# Altium PCB ControlBoard.PcbDoc (part 1 of 2) (continued)
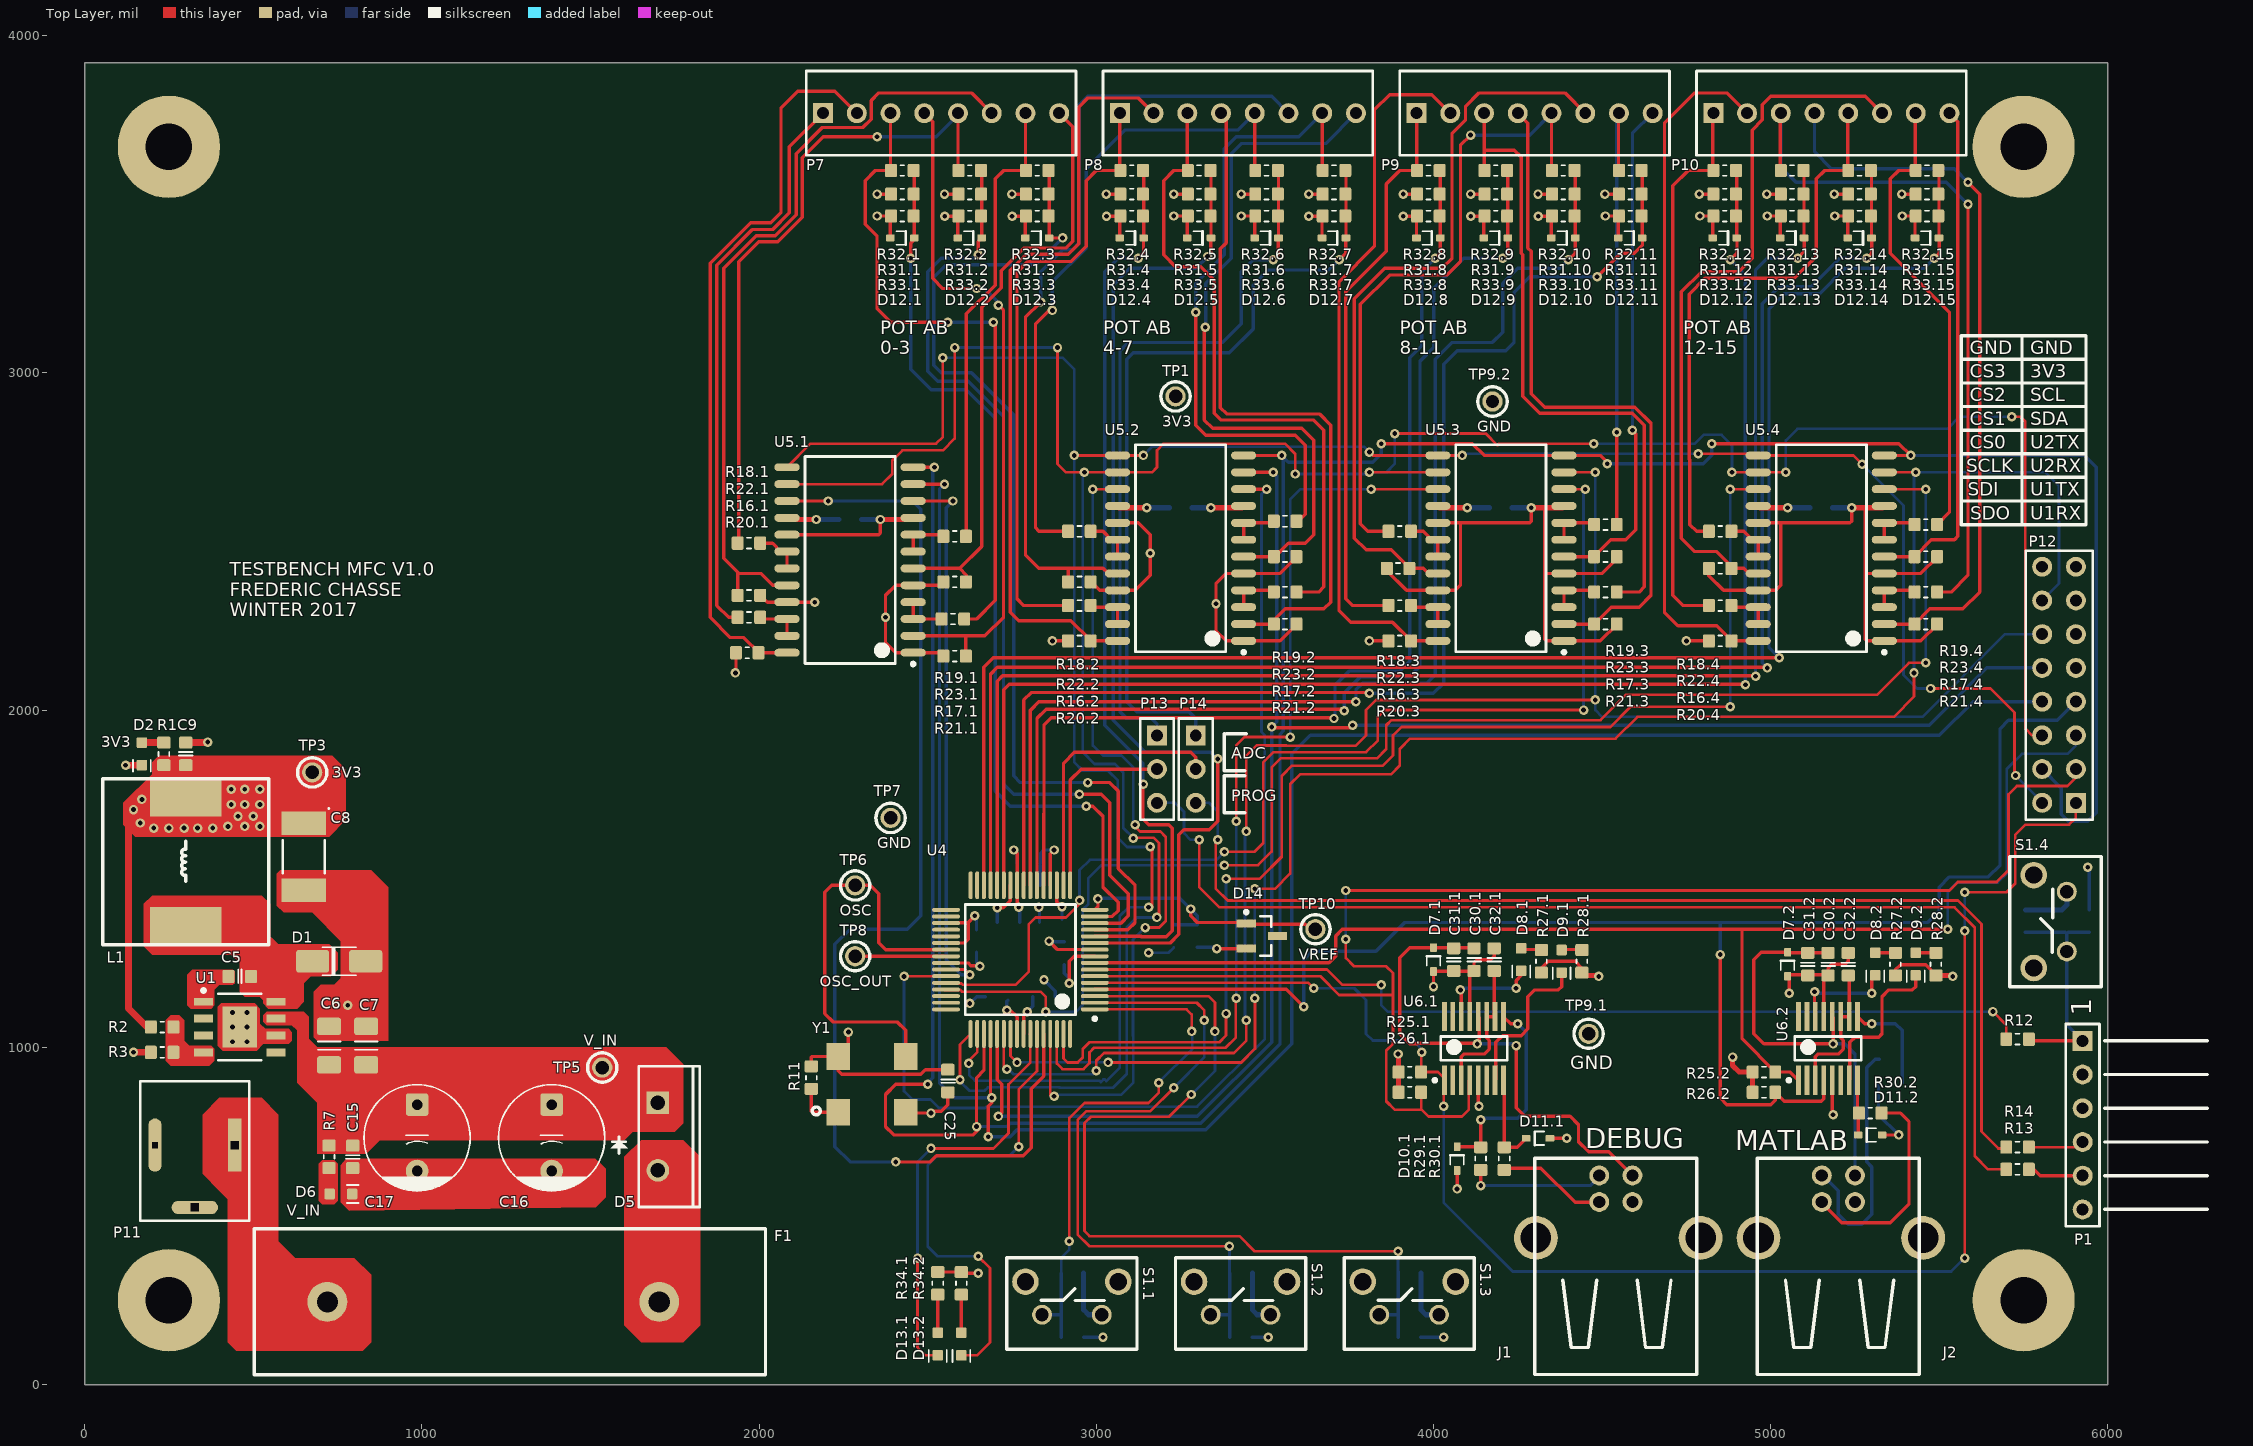
[diagram p0: Top Layer view]
## Components (designator, comment, footprint, x,y, rotation, side; value= is the part's Value field where it differs from the comment) (continued)
R34.1 "RS - RESISTOR" RS-0603 2530,300 r270 top (schematic designator R34)
R34.2 "RS - RESISTOR" RS-0603 2600,300 r270 top (schematic designator R34)
R35 "RS - RESISTOR" RS-0603 3230,1330 r270 bottom
S1.1 "SW - Tactile Switch" SW-FSMRA 2839.21,206.93 r0 top (schematic designator S1)
S1.2 "SW - Tactile Switch" SW-FSMRA 3339.21,206.93 r0 top (schematic designator S1)
S1.3 "SW - Tactile Switch" SW-FSMRA 3839.21,206.93 r0 top (schematic designator S1)
S1.4 "SW - Tactile Switch" SW-FSMRA 5878.03,1284.21 r90 top (schematic designator S1)
TP1 "5003K" "TP - VERTICAL" 3235,2930 r0 top
TP3 "5003K" "TP - VERTICAL" 675,1815 r0 top
TP5 "5003K" "TP - VERTICAL" 1535,940 r0 top
TP6 "5003K" "TP - VERTICAL" 2285,1480 r0 top
TP7 "5003K" "TP - VERTICAL" 2390,1680 r0 top
TP8 "5003K" "TP - VERTICAL" 2285,1270 r0 top
TP9.1 "5003K" "TP - VERTICAL" 4460,1040 r0 top (schematic designator TP9)
TP9.2 "5003K" "TP - VERTICAL" 4175,2915 r0 top (schematic designator TP9)
TP10 "5003K" "TP - VERTICAL" 3650,1350 r90 top
U1 "IC - TPS5430" IC-SOIC8-POWERPAD 460,1060 r0 top
U4 "IC - PIC32MX795F512HT-80I/PT" IC-TQFP-64 2775,1260 r180 top
U5.1 "IC - AD8403" IC-SOIC-24 2270,2445 r180 top (schematic designator U5)
U5.2 "IC - AD8403" IC-SOIC-24 3250,2480 r180 top (schematic designator U5)
U5.3 "IC - AD8403" IC-SOIC-24 4200,2480 r180 top (schematic designator U5)
U5.4 "IC - AD8403" IC-SOIC-24 5150,2480 r180 top (schematic designator U5)
U6.1 "IC - FT230XS" IC-SSOP-16 4120,996.54 r90 top (schematic designator U6)
U6.2 "IC - FT230XS" IC-SSOP-16 5170,996.54 r90 top (schematic designator U6)
Y1 "8MHz" OSC-CB3LV 2335,890 r0 top

## Footprints (in the part's own frame and the unit in brackets; to place one, negate y for a bottom-side part, rotate by r counter-clockwise, add the part's x,y. Pads: shape width x height; smd on the part's side, far side on the other; paste and mask are expansions set on the pad)
CON-HEADER-1X3 [mm]
  rect 1.5x1.5 hole 0.9: 1(0,0)
  round 1.5 hole 0.9: 2(2.54,0) 3(5.08,0)
  silkscreen extent -1.27,-1.27 6.35,1.27, body extent -1.35,-1.24 6.27,1.25, height 8.2
CON-HEADER-1X6-RA [mm] "HEADER 6 PINS RIGHT ANGLE"
  rect 1.5x1.5 hole 0.9: 1(0,0)
  round 1.5 hole 0.9: 2(2.54,0) 3(5.08,0) 4(7.62,0) 5(10.16,0) 6(12.7,0)
  silkscreen extent -1.27,-1.27 13.97,9.4, body extent -1.27,-0.3 13.97,9.83, height 2.51
CON-HEADER-1X8 [mm]
  rect 1.5x1.5 hole 0.9: 1(0,0)
  round 1.5 hole 0.9: 2(2.54,0) 3(5.08,0) 4(7.62,0) 5(10.16,0) 6(12.7,0) 7(15.24,0) 8(17.78,0)
  silkscreen extent -1.27,-3.17 19.05,3.17
CON-HEADER-2X8 [mm]
  rect 1.5x1.5 hole 0.9: 1(0,0)
  round 1.5 hole 0.9: 2(2.54,0) 3(5.08,0) 4(7.62,0) 5(10.16,0) 6(12.7,0) 7(15.24,0) 8(17.78,0) 9(17.78,2.54) 10(15.24,2.54) 11(12.7,2.54) 12(10.16,2.54) 13(7.62,2.54) 14(5.08,2.54) 15(2.54,2.54) 16(0,2.54)
  silkscreen extent -1.27,-1.27 18.97,3.78, body extent -1.22,-1.24 19.1,3.76, height 8.48
"CON-POWER CONNECTOR" [mm] "CONN PWR JACK 2.1X5.5MM HIGH CUR"
  rect 1x4 hole 0.6 square: 1(0,0)
  oval 1x4 hole 0.45 square: 2(6,0)
  oval 3.5x1 hole 0.6 square: 3(3,4.7)
  silkscreen extent -1.1,-4.8 7.1,5.7, body extent -0.7,-4.5 13.7,4.9, height 11.3
"CON-USB TYPE B" [mm] "USB receptacle type B through hole"
  round 1.5 hole 0.92: 1(0,0) 2(-2.5,0) 3(-2.5,-2) 4(0,-2)
  round 3.3 hole 2.3: 5(-7.27,-4.71) 6(5.13,-4.71)
  silkscreen extent -7.35,-14.99 4.85,1.29, body extent -8.65,-15.03 6.15,1.47, height 11.01
CS-0603 [mm]
  round 0.254 on Mech15: 0(0,0)
  rrect25% 0.9x1 smd: 1(-0.85,0) 2(0.85,0)
  Top Layer pour cut-out: -0.6,0.5 -0.4,0.7 0.4,0.7 0.6,0.5 0.6,-0.5 0.4,-0.7 -0.4,-0.7 -0.6,-0.5
  silkscreen extent -0.14,-0.53 0.12,0.51, body extent -0.8,-0.4 0.8,0.4, height 0.3
CS-1206 [mm]
  round 0.508 on Mech15: 0(0,0)
  rrect25% 1.3x1.8 smd: 1(-1.45,0) 2(1.45,0)
  silkscreen extent -0.31,-0.84 0.3,0.86, body extent -1.58,-0.8 1.62,0.8, height 1
CS-2312 [mm] "Chip Capacitor, 2-Leads, Body 6.00x3.20mm, IPC Medium Density"
  rect 1.8x3.35 smd: 1(-2.525,0) 2(2.525,0)
  silkscreen extent -3.69,-1.58 1.25,1.94, body extent -3,-1.6 3,1.6, height 2.6
CT-CAP-ALUM-8X14 [mm] "8mm Dia X 14mm hei, pitch 5mm"
  round 0.508 on Mech15: 0(2.5,0)
  rrect25% 1.7x1.7 hole 0.8: 1(0,0)
  round 1.7 hole 0.8: 2(5,0)
  silkscreen extent -1.5,-4 6.5,4, body extent -1.59,-4.1 6.61,4.1, height 2.4
DS-DO-214AC-SMA [mm]
  round 0.508 on Mech15: 0(0,0)
  rrect25% 2.5x1.7 smd: A(2,0) K(-2,0)
  silkscreen extent -1.27,-1.04 1.3,1.05, body extent -1.88,-0.78 1.82,0.77, height 1.35
DS-SOD523 [mm]
  round 0.508 on Mech15: 0(0,0)
  rrect20% 0.65x0.5 smd: A(0.9,0) K(-0.9,0)
  Top Layer pour cut-out: -0.708,-0.257 -0.708,0.243 -0.508,0.443 0.542,0.443 0.742,0.243 0.742,-0.257 0.542,-0.457 -0.508,-0.457
  silkscreen extent -0.25,-0.51 0.45,0.51, body extent -0.8,-0.4 0.8,0.4, height 0.7
"FT - 5mm x 20mm" [mm]
  round 3 hole 1.6: 1(0,0) 2(25,0)
  silkscreen extent -5.5,-5.5 33,5.5, body extent -0.51,-4.8 25.09,4.8, height 11.5
IC-SOIC8-POWERPAD [mm] "SOIC, 8-Leads, Body 4.90x3.90mm, Pitch 1.27mm, Thermal Pad 3.10x2.60mm, IPC Medium Density"
  rect 1.45x0.6 smd: 1(-2.725,1.905) 2(-2.725,0.635) 3(-2.725,-0.635) 4(-2.725,-1.905) 5(2.725,-1.905) 6(2.725,-0.635) 7(2.725,0.635) 8(2.725,1.905)
  rect 2.6x3.1 smd: 9(0,0)
  silkscreen extent -2.85,-2.5 1.6,2.88, body extent -3.02,-2.5 3.18,2.5, height 1.75
IC-SOIC-24 [mm] "SOIC, 24-Leads, Body 15,40x7,50mm, Pitch 1,27mm, IPC Medium Density"
  oval 1.9x0.6 smd: 1(-4.75,6.985) 2(-4.75,5.715) 3(-4.75,4.445) 4(-4.75,3.175) 5(-4.75,1.905) 6(-4.75,0.635) 7(-4.75,-0.635) 8(-4.75,-1.905) 9(-4.75,-3.175) 10(-4.75,-4.445) 11(-4.75,-5.715) 12(-4.75,-6.985) 13(4.75,-6.985) 14(4.75,-5.715) 15(4.75,-4.445) 16(4.75,-3.175) 17(4.75,-1.905) 18(4.75,-0.635) 19(4.75,0.635) 20(4.75,1.905) 21(4.75,3.175) 22(4.75,4.445) 23(4.75,5.715) 24(4.75,6.985)
  silkscreen extent -4.88,-7.8 3.4,7.96, body extent -5.12,-7.75 5.18,7.75, height 2.65
IC-SOT-23 [mm]
  rect 1.45x0.6 smd: 1(-2.674,-0.32) 2(-2.674,-2.22) 3(-0.324,-1.27)
  silkscreen extent -2.8,-2.77 -0.8,0.65, body extent -2.87,-2.77 -0.23,0.23, height 1.08
IC-SSOP-16 [mm] "SOP, 16-Leads, Body 5.0x4.0mm (max), Pitch 0.63mm, IPC Medium Density"
  rect 2.2x0.35 smd: 1(-2.4,2.222) 2(-2.4,1.587) 3(-2.4,0.952) 4(-2.4,0.317) 5(-2.4,-0.318) 6(-2.4,-0.953) 7(-2.4,-1.588) 8(-2.4,-2.222) 9(2.4,-2.222) 10(2.4,-1.587) 11(2.4,-0.952) 12(2.4,-0.317) 13(2.4,0.318) 14(2.4,0.953) 15(2.4,1.588) 16(2.4,2.222)
  silkscreen extent -2.52,-2.5 0.9,3.07, body extent -3.1,-2.5 3.15,2.5, height 1.75
IC-TQFP-64 [mm]
  oval 2.1x0.3 smd: 1(-5.6,3.75) 2(-5.6,3.25) 3(-5.6,2.75) 4(-5.6,2.25) 5(-5.6,1.75) 6(-5.6,1.25) 7(-5.6,0.75) 8(-5.6,0.25) 9(-5.6,-0.25) 10(-5.6,-0.75) 11(-5.6,-1.25) 12(-5.6,-1.75) 13(-5.6,-2.25) 14(-5.6,-2.75) 15(-5.6,-3.25) 16(-5.6,-3.75) 33(5.6,-3.75) 34(5.6,-3.25) 35(5.6,-2.75) 36(5.6,-2.25) 37(5.6,-1.75) 38(5.6,-1.25) 39(5.6,-0.75) 40(5.6,-0.25) 41(5.6,0.25) 42(5.6,0.75) 43(5.6,1.25) 44(5.6,1.75) 45(5.6,2.25) 46(5.6,2.75) 47(5.6,3.25) 48(5.6,3.75)
  oval 0.3x2.1 smd: 17(-3.75,-5.6) 18(-3.25,-5.6) 19(-2.75,-5.6) 20(-2.25,-5.6) 21(-1.75,-5.6) 22(-1.25,-5.6) 23(-0.75,-5.6) 24(-0.25,-5.6) 25(0.25,-5.6) 26(0.75,-5.6) 27(1.25,-5.6) 28(1.75,-5.6) 29(2.25,-5.6) 30(2.75,-5.6) 31(3.25,-5.6) 32(3.75,-5.6) 49(3.75,5.6) 50(3.25,5.6) 51(2.75,5.6) 52(2.25,5.6) 53(1.75,5.6) 54(1.25,5.6) 55(0.75,5.6) 56(0.25,5.6) 57(-0.25,5.6) 58(-0.75,5.6) 59(-1.25,5.6) 60(-1.75,5.6) 61(-2.25,5.6) 62(-2.75,5.6) 63(-3.25,5.6) 64(-3.75,5.6)
  silkscreen extent -5.72,-4.15 4.15,4.57, body extent -6.01,-5.98 6.01,6.03, height 1.2
"LED-0603 GREEN" [mm]
  round 0.254 on Mech15: 0(0,0)
  rrect25% 0.8x0.8 smd: A(-0.85,0) K(0.85,0)
  Top Layer pour cut-out: -0.5,0.5 0.5,0.5 0.5,-0.5 -0.5,-0.5
  silkscreen extent 0.45,-0.67 1.35,0.67, body extent -0.83,-0.4 0.79,0.4, height 0.6
"LED-0603 YELLOW" [mm]
  round 0.254 on Mech15: 0(0,0)
  rrect25% 0.8x0.8 smd: A(-0.85,0) K(0.85,0)
  Top Layer pour cut-out: -0.5,0.5 0.5,0.5 0.5,-0.5 -0.5,-0.5
  silkscreen extent 0.45,-0.67 1.35,0.67, body extent -0.83,-0.4 0.79,0.4, height 0.6
"LS-Inductor SMD" [mm] "MD Inductor 12.5mm x 12.5mm"
  rect 2.9x5.4 smd: 1(-4.85,0) 2(4.85,0)
  silkscreen extent -6.25,-6.25 6.25,6.25, body extent -6.32,-6.32 6.38,6.38, height 8.5
OSC-CB3LV [mm] "SMD Oscillator"
  rect 1.8x2 smd: 1(-2.54,-2.1) 2(2.54,-2.1) 3(2.54,2.1) 4(-2.54,2.1)
  silkscreen extent -4.5,-2.3 -3.9,-1.7, body extent -3.4,-2.42 3.6,2.58, height 1.71
RS-0603 [mm]
  round 0.254 on Mech15: 0(0,0)
  rrect25% 0.9x1 smd: 1(-0.85,0) 2(0.85,0)
  Top Layer pour cut-out: -0.6,0.5 -0.4,0.7 0.4,0.7 0.6,0.5 0.6,-0.5 0.4,-0.7 -0.4,-0.7 -0.6,-0.5
  silkscreen extent -0.15,-0.41 0.15,0.41, body extent -0.77,-0.43 0.78,0.42, height 0.45
SW-FSMRA [mm] "Right angle tactile switch"
  round 1.5 hole 0.99: 1(0,0) 2(4.5,0)
  round 2 hole 1.3: ""(-1.25,2.49) ""(5.75,2.49)
  silkscreen extent -2.65,-2.6 7.15,4.3, body extent -2.05,-8.4 6.36,3.96, height 7.02
TO-220AC [mm] "TO, Thru-Hole, Vertical, Heatsink Mounted; 3 In-Line Leads (1 Absent); Pitch 2.54 mm"
  rect 1.7x1.7 hole 1.1: 1(-2.54,0)
  round 1.7 hole 1.1: 3(2.54,0)
  silkscreen extent -5.3,-1.45 5.3,3.15
"TP - VERTICAL" [mil] "Testpoint"
  round 60 hole 40: 1(0,0)
  silkscreen extent -43,-43 43,43, body extent -50,-50 50,50, height 192

## Part data
C5: "CAP CER 10000PF 50V 10% X7R 0603"
D1: library part "DS - Schottky", "DIODE SCHOTTKY 40V 3A SMA"
D5: library part "Diode 18TQ045", "Zener Schottky"
D7.1 D7.2 D10.1 D10.2 D11.1 D11.2: "TVS 5V"
D12.1 D12.2 D12.3 D12.4 D12.5 D12.6 D12.7 D12.8 D12.9 D12.10 D12.11 D12.12 D12.13 D12.14 D12.15: "TVS 3.3V"
D14: "Zener Diode Vref"
J1 J2: library part "CON - USB TYPE B 4 pins", "4 pin USB connector with 2 shield pins"
L1: "INDUCTOR SHIELD PWR"
P1: library part "CON - PROG HEADER 6", "MICROCHIP CONNECTOR"
P7 P8 P9 P10: "100mil header 1 row 6 pins"
P11: "CONN PWR JACK 2.1X5.5MM HIGH CUR"
P12: "100mil header 2 row 16pins"
P13 P14: "100mil header 1 row 3pins"
TP1 TP3 TP5 TP6 TP7 TP8 TP9.1 TP9.2 TP10: library part "TP - Test point vertical"
U1: "IC REG BUCK ADJ 3A 8SOPWRPAD"
U5.1 U5.2 U5.3 U5.4: "DIGITAL POTENTIOMETER"
U6.1 U6.2: "USB to BASIC UART IC"
Y1: library part "OSC - CB3LV", "Oscillator"

## Free pads (board coordinates)
  round 303 hole 137.8: 0(250,250) 1(250,3670) 2(5750,3670) 3(5750,250)

## Via types
v1: diameter 28, hole 14, Top Layer to Bottom Layer, 270 vias

## Nets (pads, with @x,y where several pads share a name; then routed paths per layer and width w, separated by ;. In a path a pad name is that pad's centre, name@x,y a point inside that pad or via, vN(x,y) a via of type N, cw(c..) or ccw(c..) an arc to the next point about the centre after c; other vN are vias at no path point)
3V3: C8.1 C9.2 C20.2 C21.2 C22.2 C23.2 C24.2 C25.2 C28.1.1 C28.2.1 C28.3.1 C28.4.1 L1.2 P1.2 P12.7 R1.1 R2.1 R11.1 R24.1.2 R24.2.2 R24.3.2 R24.4.2 R25.1.2 R25.2.2 R26.1.2 R26.2.2 R27.1.2 R27.2.2 R28.1.2 R28.2.2 R31.1.1 R31.2.1 R31.3.1 R31.4.1 R31.5.1 R31.6.1 R31.7.1 R31.8.1 R31.9.1 R31.10.1 R31.11.1 R31.12.1 R31.13.1 R31.14.1 R31.15.1 R34.1.1 R34.2.1 R35.2 TP1.1 TP3.1 U4.10 U4.19 U4.26 U4.35 U4.38 U4.57 U5.1.16 U5.2.16 U5.3.16 U5.4.16 Y1.4 | length 4537.2
  Top Layer w10: R2.1@185,1060 R2.1@196.54,1060 ; U5.1.16@2082.99,2570 U5.1.16@2087.99,2565 ; R11.1@2155,943.46 2155,970 2157.68,972.68 Y1.4@2235,972.68 ; v1(2265,1045) 2265,1002.68 Y1.4@2235,972.68 ; v1(2350,3530) R31.1.1@2391.54,3530 ; R34.1.1@2530,333.46 2596.54,333.46 2600,330 v1(2650,330) ; v1(2550,3530) R31.2.1@2591.54,3530 ; U4.38@2554.53,1309.21 2609.21,1309.21 2620,1320 2620,1370 ; U4.35@2555,1369.05 2619.05,1369.05 2620,1370 ; C25.2@2560,933.46 2493.46,933.46 2480,920 2245,920 2235,930 Y1.4@2235,972.68 ; v1(2640,1390) 2620,1370 ; v1(2706.54,1413.46) 2723.46,1413.46 2745,1435 ; 2730.31,1420 2745.47,1435.16 U4.26@2745.47,1480.47 ; v1(2750,3530) R31.3.1@2791.54,3530 ; U4.57@2784.84,1039.53 2784.84,1094.84 v1(2795,1105) ; v1(2860,1315) 2885,1290 U4.10@2995,1290 ; U4.19@2883.27,1480.47 2883.27,1431.73 v1(2898.46,1416.54) ; v1(3030,3530) R31.4.1@3071.54,3530 ; U5.2.16@3062.99,2605 U5.2.16@3067.99,2600 ; v1(3230,3530) R31.5.1@3271.54,3530 ; v1(3430,3530) R31.6.1@3471.54,3530 ; v1(3630,3530) R31.7.1@3671.54,3530 ; v1(3910,3530) R31.8.1@3951.54,3530 ; U5.3.16@4012.99,2605 U5.3.16@4017.99,2600 ; v1(4110,3530) R31.9.1@4151.54,3530 ; v1(4310,3530) R31.10.1@4351.54,3530 ; R27.1.2@4320,1213.07 4320,1235 4340,1255 4420,1255 4440,1235 R28.1.2@4440,1215 ; v1(4508.46,3530) R31.11.1@4550,3530 ; v1(4788.46,3530) R31.12.1@4830,3530 ; U5.4.16@4962.99,2605 U5.4.16@4967.99,2600 ; v1(4988.46,3530) R31.13.1@5030,3530 ; v1(5188.46,3530) R31.14.1@5230,3530 ; R27.2.2@5370,1213.07 5370,1230 5385,1245 5460,1245 R28.2.2@5490,1215 ; v1(5388.46,3530) R31.15.1@5430,3530 ; R28.2.2@5489.04,1214.04 R28.2.2@5490,1213.07
  Top Layer w15: U5.1.16@2087.99,2565 v1(2170,2565) ; U5.2.16@3067.99,2600 v1(3150,2600) ; v1(3895,980) 3896.54,978.46 R25.1.2@3896.54,926.54 R26.1.2@3896.54,866.54 ; U5.3.16@4017.99,2600 v1(4100,2600) ; R28.1.2@4440,1213.07 4486.93,1213.07 v1(4490,1210) ; v1(4887,971) 4887,946 4906.46,926.54 R25.2.2@4946.54,926.54 R26.2.2@4946.54,866.54 ; U5.4.16@4967.99,2600 v1(5050,2600) ; R28.2.2@5490,1213.07 5536.93,1213.07 v1(5540,1210)
  Top Layer w20: 130,1705 130,1115 R2.1@185,1060
  Bottom Layer w8: v1(3155,1280) 3213.46,1280 R35.2@3230,1296.54
  Bottom Layer w10: v1(2640,1390) 2645,1385 C21.2@2645,1348.46 ; C22.2@2706.54,1370 v1(2706.54,1413.46) ; v1(2795,1105) 2811.54,1121.54 C23.2@2811.54,1150 ; v1(2860,1315) 2861.54,1313.46 C24.2@2905,1313.46 ; C20.2@2898.46,1380 v1(2898.46,1416.54) ; R24.1.2@2962.68,140 v1(3020,140) ; R24.2.2@3462.68,140 v1(3510,140) ; R24.3.2@3962.68,140 v1(4030,140) ; v1(5940,1534.21) 5944.96,1529.25 R24.4.2@5944.96,1407.68
  Bottom Layer w15: v1(2170,2565) C28.1.1@2236.54,2565 ; v1(3150,2600) C28.2.1@3216.54,2600 ; v1(4100,2600) C28.3.1@4166.54,2600 ; v1(5050,2600) C28.4.1@5116.54,2600
  other v1: 205,1650 250,1650 295,1650 335,1650 380,1650 425,1655 475,1655 520,1655 165,1665 455,1685 500,1685 145,1705 435,1720 475,1720 520,1720 170,1735 435,1765 475,1765 520,1765
5V_USB.1: C30.1.2 C31.1.2 D7.1.K J1.1 U6.1.12 | length 1551.1
  Top Layer w10: C30.1.2@4125,1295 3930,1295 3900,1265 3900,1040 3930,1010 3951.82,1010 3953.82,1012 4128,1012 v1(4130,1010) 4131.22,1010 4135.61,1014.39 4135.61,1087.91 U6.1.12@4132.5,1091.02 ; v1(4245,1005) 4245,820 4270,795 4405,795 4430,770 4430,720 4460,690 4520,690 J1.1@4590,620
  Bottom Layer w10: v1(4130,1010) 4240,1010 v1(4245,1005)
5V_USB.2: C30.2.2 C31.2.2 D7.2.K J2.1 U6.2.12 | length 1217.3
  Top Layer w10: C30.2.2@5170,1280 C31.2.2@5110,1280 5051.97,1280 D7.2.K@5050,1281.97 4971.97,1281.97 4950,1260 4950,1040 4980,1010 v1(5185,1010) 5185.61,1010.61 5185.61,1087.91 U6.2.12@5182.5,1091.02
  Bottom Layer w10: v1(5185,1010) 5220,1010 5250,980 J2.1@5250,620
ADC2: D12.1.K R31.1.2 R32.1.1 R33.1.2 U4.15 | length 2737.1
  Top Layer w10: v1(2450,3340) 2450,3385 D12.1.K@2465,3400 ; D12.1.K@2460.43,3400 R32.1.1@2460.43,3599.57 ; v1(2970,1715) 2990,1715 3020,1685 3020,1475 3065,1430 3065,1405 3047.95,1387.95 U4.15@2995.47,1387.95
  Bottom Layer w10: v1(2450,3340) 2450,3010 2510,2950 2615,2950 2700,2865 2700,1760 2745,1715 v1(2970,1715)
ADC3: D12.2.K R31.2.2 R32.2.1 R33.2.2 U4.14 | length 2897.5
  Top Layer w10: v1(2650,3350) 2650,3389.57 D12.2.K@2660.43,3400 ; D12.2.K@2660,3400 D12.2.K@2660.43,3400 ; R32.2.1@2660.43,3599.57 D12.2.K@2660.43,3400 ; v1(2950,1750) 3015,1750 3040,1725 3040,1510 3095,1455 3095,1390 3073.58,1368.58 ; U4.14@2995.47,1368.27 3073.27,1368.27
  Bottom Layer w10: v1(2650,3350) 2650,3345 2645,3340 2540,3340 2500,3300 2500,3005 2530,2975 2620,2975 2725,2870 2725,1780 2755,1750 v1(2950,1750)
ADC4: D12.3.K R31.3.2 R32.3.1 R33.3.2 U4.13 | length 3166.7
  Top Layer w10: D12.3.K@2860,3400 D12.3.K@2860.43,3400 ; R32.3.1@2860.43,3599.57 D12.3.K@2860.43,3400 ; v1(2900,3400) D12.3.K@2860.43,3400 ; v1(2975,1785) 3040,1785 3065,1760 3065,1530 3115,1480 3115,1370 3093.58,1348.58 U4.13@2995.47,1348.58
  Bottom Layer w10: v1(2900,3400) 2820,3320 2555,3320 2518,3283 2518,3022 2540,3000 2630,3000 2755,2875 2755,1805 2775,1785 v1(2975,1785)
ADC5: D12.4.K R31.4.2 R32.4.1 R33.4.2 U4.12 | length 2696.8
  Top Layer w10: U4.12@2995.47,1328.9 3132.92,1328.9 3133.82,1328 3208,1328 3225,1345 3225,1650 3215,1660 3155,1660 3135,1680 3137.47,1682.47 3137.47,1777.47 v1(3140,1780) ; v1(3125,3340) 3140,3355 D12.4.K@3140,3400 ; D12.4.K@3140.43,3400 R32.4.1@3140.43,3599.57
  Bottom Layer w10: 3025,1990 3025.16,1989.84 ; v1(3125,3340) 3065,3340 3025,3300 3025,3085.31 3024.84,3085.16 3024.84,1955.16 3137.47,1842.53 3137.47,1782.53 v1(3140,1780)
ADC6: D12.5.K R31.5.2 R32.5.1 R33.5.2 U4.11 | length 3093.3
  Top Layer w10: U4.11@2995.47,1309.21 3219.21,1309.21 3245,1335 3245,1630 3260,1645 3335,1645 3360,1670 v1(3360,1855) ; v1(3330,3345) 3340,3355 D12.5.K@3340,3400 ; D12.5.K@3340.43,3400 R32.5.1@3340.43,3599.57
  Bottom Layer w10: v1(3330,3345) 3295,3310 3100,3310 3050,3260 3050,1970 3145,1875 3340,1875 v1(3360,1855)
ADC7: D12.6.K P13.1 R31.6.2 R32.6.1 R33.6.2 | length 2157.3
  Top Layer w10: v1(3525,3335) 3540,3350 D12.6.K@3540,3400 ; D12.6.K@3540.43,3400 R32.6.1@3540.43,3599.57
  Bottom Layer w10: P13.1@3180,1925 3180,1960 3165,1975 3090,1975 3070.43,1994.57 3070.43,3065 3095.43,3090 3375,3090 3430,3145 3430,3300 3465,3335 v1(3525,3335)
ADC7/PGEC: P13.3 R13.1 | length 3482.5
  Top Layer w8: v1(3305,1615) 3305,1475 3365,1415 5545,1415 5605,1355 5605,680 ; 5605,678 5645,638 R13.1@5698.54,638
  Bottom Layer w8: P13.3@3180,1725 3233.44,1725 3260,1698.44 3260,1635 3280,1615 v1(3305,1615)
ADC8: D12.7.K P14.1 R31.7.2 R32.7.1 R33.7.2 | length 2386.5
  Top Layer w10: v1(3720,3335) 3740,3355 D12.7.K@3740,3400 ; D12.7.K@3740.43,3400 R32.7.1@3740.43,3599.57
  Bottom Layer w10: P14.1@3295,1930 3295,1975 3275,1995 3120,1995 3090.43,2024.57 3090.43,3040.43 3110,3060 3395,3060 3465,3130 3465,3260 3510,3305 3690,3305 v1(3720,3335)
ADC8/PGED: P14.3 R14.1 | length 3323.5
  Top Layer w8: v1(3360,1615) 3354,1609 3354,1471 3390,1435 5555,1435 5625,1365 5625,750 5675,700 R14.1@5691,700
  Bottom Layer w8: P14.3@3295,1725 3335,1725 3360,1700 v1(3360,1615)
ADC9: D12.8.K R31.8.2 R32.8.1 R33.8.2 U4.21 | length 3187.4
  Top Layer w10: U4.21@2843.9,1480.47 2844.91,1910 2844.91,1954.91 2867,1977 3703,1977 v1(3705,1975) ; v1(4005,3340) 4020,3355 D12.8.K@4020,3400 ; D12.8.K@4020.43,3400 R32.8.1@4020.43,3599.57
  Bottom Layer w10: v1(3705,1975) 3708,1978 3708,2073 3751,2116 3901,2116 3930,2145 3930,3045 3965,3080 3965,3300 v1(4005,3340)
ADC10: D12.9.K R31.9.2 R32.9.1 R33.9.2 U4.22 | length 3373.3
  Top Layer w10: U4.22@2824.21,1480.47 2824.21,1975 2851.21,2002 3731,2002 v1(3735,1998) ; v1(4205,3340) 4220,3355 D12.9.K@4220,3400 ; D12.9.K@4220.43,3400 R32.9.1@4220.43,3599.57
  Bottom Layer w10: v1(3735,1998) 3735,2050.59 3782.41,2098 3928,2098 3960,2130 3960,3035 4000.43,3075.43 4000.43,3250.43 4090,3340 v1(4205,3340)
ADC11: D12.10.K R31.10.2 R32.10.1 R33.10.2 U4.23 | length 3594.1
  Top Layer w10: U4.23@2804.53,1480.47 2804.53,2000 2805,2000 2830,2025 v1(3770,2025) ; v1(4400,3335) 4420,3355 D12.10.K@4420,3400 ; D12.10.K@4420.43,3400 R32.10.1@4420.43,3599.57
  Bottom Layer w10: v1(3770,2025) 3770.16,2025.16 3770.16,2060.29 3789.87,2080 3980,2080 4005,2105 4005,3040 4055,3090 4175,3090 4205,3120 4205,3265 4250,3310 4375,3310 v1(4400,3335)
ADC12: D12.11.K R31.11.2 R32.11.1 R33.11.2 U4.24 | length 3805.9
  Top Layer w10: U4.24@2784.84,1480.47 2784.84,2030 2785,2030 2807,2052 3808,2052 v1(3810,2050) ; v1(4485,3285) 4555,3355 4595,3355 4620,3380 D12.11.K@4620,3400 ; D12.11.K@4618.9,3400 R32.11.1@4618.9,3599.57
  Bottom Layer w10: v1(3810,2050) 4000,2050 4030,2080 4030,3025 4070,3065 4213.9,3065 4238.9,3090 4238.9,3238.9 4285,3285 v1(4485,3285)
ADC13: D12.12.K R31.12.2 R32.12.1 R33.12.2 U4.27 | length 4338.6
  Top Layer w10: U4.27@2725.79,1480.47 2725.79,2060.79 2742,2077 4923,2077 v1(4925,2075) ; v1(4880,3335) 4900,3355 D12.12.K@4900,3400 ; D12.12.K@4898.9,3400 R32.12.1@4898.9,3599.57
  Bottom Layer w10: v1(4880,3335) 4925,3290 v1(4925,2075)
ADC14: D12.13.K R31.13.2 R32.13.1 R33.13.2 U4.28 | length 4474.3
  Top Layer w10: U4.28@2706.1,1480.47 2706.1,2086.1 2722,2102 4953,2102 v1(4955,2100) ; v1(5080,3340) 5100,3360 D12.13.K@5100,3400 ; D12.13.K@5098.9,3400 R32.13.1@5098.9,3599.57
  Bottom Layer w10: v1(4955,2100) 4955,3305 4990,3340 v1(5080,3340)
ADC15: D12.14.K R31.14.2 R32.14.1 R33.14.2 U4.29 | length 4656.8
  Top Layer w10: U4.29@2686.42,1480.47 2686.42,2106.42 2707,2127 4988,2127 v1(4990,2125) ; v1(5285,3340) 5300,3355 D12.14.K@5300,3400 ; D12.14.K@5298.9,3400 R32.14.1@5298.9,3599.57
  Bottom Layer w10: v1(4990,2125) 4975,2140 4975,3205 5025,3255 5120,3255 5205,3340 v1(5285,3340)
ADC16: D12.15.K R31.15.2 R32.15.1 R33.15.2 U4.30 | length 4881.6
  Top Layer w10: U4.30@2666.73,1480.47 2666.73,2126.73 2695,2155 v1(5025,2155) ; v1(5485,3340) 5500,3355 D12.15.K@5500,3400 ; D12.15.K@5498.9,3400 R32.15.1@5498.9,3599.57
  Bottom Layer w10: v1(5025,2155) 4995,2185 4995,3190 5040,3235 5145,3235 5220,3310 5455,3310 v1(5485,3340)
CS0: P12.13 U4.52 U5.1.11 | length 6526.4
  Top Layer w10: U5.1.11@2457.01,2670 v1(2550,2670) ; v1(2680,735) 2680,825 2690,835 v1(2690,850) 2687.83,850 2685,852.83 2686.42,851.42 U4.52@2686.42,1039.53
  Bottom Layer w10: v1(2550,2670) 2535,2655 2535,895 2580,850 v1(2690,850) ; v1(2680,735) 2745,735 2765,755 3325,755 3580,1010 3580,1870 3635.16,1925.16 5500.16,1925.16 5600,2025 P12.13@5805,2025
CS1: P12.12 U4.53 U5.2.11 | length 5302.8
  Top Layer w10: U4.53@2706.1,1039.53 2706.1,903.9 2720,890 2720,805 v1(2710,795) ; U5.2.11@3437.01,2705 v1(3525,2705) ; v1(3520,1950) 3522,1948 3753,1948 v1(3760,1955)
  Bottom Layer w10: v1(2710,795) 3299.54,795 3520,1015.46 v1(3520,1950) 3535,1965 3535,2695 v1(3525,2705) ; v1(3760,1955) 5470,1955 5640,2125 P12.12@5805,2125
CS2: P12.11 U4.54 U5.3.11 | length 5108.9
  Top Layer w8: v1@2725.79,935 U4.54@2725.79,1039.53 ; v1(3000,930) 3000,960 3023,983 3408,983 3445,1020 v1(3445,1080) ; v1(3445,1640) 3445,1865 3475,1895 3563.23,1895 3564.23,1894 3769,1894 3800,1925 3800,2000 3830,2030 v1(4480,2030) ; U5.3.11@4387.01,2705 v1(4480,2705)
  Bottom Layer w8: v1(2735,935) 2740,935 2755,920 2990,920 v1(3000,930) ; v1(3445,1080) 3441,1084 3441,1636 v1(3445,1640) ; v1(4480,2705) v1(4480,2030) 4480,2000 4500,1980 5450,1980 5695,2225 P12.11@5805,2225
CS3: P12.10 U4.55 U5.4.11 | length 5228.8
  Top Layer w8: U4.55@2745.47,1039.53 2745.47,974.53 v1(2765,955) ; v1(3035,955) 3430,955 3471,996 3471,1144 v1(3470,1145) ; v1(3470,1470) 3530,1470 3575,1515 3575,1780 3605,1810 3875,1810 3900,1835 3900,1885 3930,1915 4540,1915 4605,1980 5365,1980 5425,2040 v1(5425,2110) ; U5.4.11@5337.01,2705 v1(5430,2705)
  Bottom Layer w8: v1(2765,955) 2766,956 3034,956 v1(3035,955) ; v1(3470,1145) v1(3470,1470) ; v1(5425,2110) 5425,2700 v1(5430,2705) 5815,2705 5855,2665 5855,2375 P12.10@5805,2325
GND: C6.1 C7.1 C8.2 C9.1 C15.1 C16.2 C17.2 C20.1 C21.1 C22.1 C23.1 C24.1 C25.1 C26.1 C27.1 C28.1.2 C28.2.2 C28.3.2 C28.4.2 C29.1.1 C29.2.1 C29.3.1 C29.4.1 C30.1.1 C30.2.1 C31.1.1 C31.2.1 C32.1.2 C32.2.2 C33.1 D1.A D2.K D6.K D7.1.A D7.2.A D10.1.A D10.2.A D11.1.A D11.2.A D12.1.A D12.2.A D12.3.A D12.4.A D12.5.A D12.6.A D12.7.A D12.8.A D12.9.A D12.10.A D12.11.A D12.12.A D12.13.A D12.14.A D12.15.A D14.2 J1.4 J1.5 J1.6 J2.4 J2.5 J2.6 P1.3 P11.2 P11.3 P12.8 P12.9 R3.2 R15.2 R20.1.2 R20.2.2 R20.3.2 R20.4.2 R21.1.2 R21.2.2 R21.3.2 R21.4.2 R22.1.2 R22.2.2 R22.3.2 R22.4.2 R23.1.2 R23.2.2 R23.3.2 R23.4.2 R33.1.1 R33.2.1 R33.3.1 R33.4.1 R33.5.1 R33.6.1 R33.7.1 R33.8.1 R33.9.1 R33.10.1 R33.11.1 R33.12.1 R33.13.1 R33.14.1 R33.15.1 S1.1.2 S1.2.2 S1.3.2 S1.4.2 TP7.1 TP9.1.1 TP9.2.1 U1.6 U1.9 U4.9 U4.25 U4.41 U5.1.1 U5.1.5 U5.1.9 U5.1.17 U5.1.21 U5.2.1 U5.2.5 U5.2.9 U5.2.17 U5.2.21 U5.3.1 U5.3.5 U5.3.9 U5.3.17 U5.3.21 U5.4.1 U5.4.5 U5.4.9 U5.4.17 U5.4.21 U6.1.5 U6.1.13 U6.2.5 U6.2.13 Y1.2 | length 11249.4
  Top Layer w10: v1@1931.54,2111.54 R20.1.2@1931.54,2170 ; R22.1.2@2005,2340 2025,2320 U5.1.21@2082.99,2320 v1(2165,2320) ; U5.1.17@2082.99,2520 2355,2520 2360,2525 v1(2360,2565) ; v1(2350,3465) R33.1.1@2391.54,3465 ; D12.1.A@2389.57,3400 R33.1.1@2389.57,3464.57 ; Y1.2@2435,807.32 2437.32,805 v1(2510,805) 2515,810 2540,810 2560,830 2560,860 C25.1@2555,865 ; R23.1.2@2545,2380 2535,2370 U5.1.5@2457.01,2370 2405,2370 2375,2340 v1(2375,2275) 2375,2200 2405,2170 U5.1.1@2457.01,2170 2540,2170 R21.1.2@2550,2160 ; v1(2550.43,3464.57) 2589.57,3464.57 D12.2.A@2589.57,3400 ; U4.41@2560,1250 2620,1250 2628,1242 2653,1242 v1(2655,1240) ; v1(2750.43,3464.57) 2789.57,3464.57 D12.3.A@2789.57,3400 ; v1(2755,1585) 2765.16,1574.84 U4.25@2765.16,1480.47 ; U4.25@2765,1480 2765.94,1479.06 2765.94,1419.06 v1(2770,1415) ; v1(2870,2205) R20.2.2@2916.54,2205 ; v1(2920,1190) 2920,1255 2934.84,1269.84 U4.9@2995.47,1269.84 ; R22.2.2@2985,2380 3010,2355 U5.2.21@3062.99,2355 3115,2355 3160,2400 v1(3160,2465) 3160,2520 3125,2555 U5.2.17@3062.99,2555 ; v1(3030.43,3464.57) 3069.57,3464.57 D12.4.A@3069.57,3400 ; v1(3230,3465) R33.5.1@3271.54,3465 ; D12.5.A@3269.57,3400 R33.5.1@3269.57,3464.57 ; v1(3357.4,1292.6) D14.2@3444.74,1292.6 ; v1(3430,3465) R33.6.1@3471.54,3465 ; D12.6.A@3469.57,3400 R33.6.1@3469.57,3464.57 ; R21.2.2@3595,2255 3545,2205 U5.2.1@3437.01,2205 3385,2205 3355,2235 v1(3355,2315) 3355,2375 3385,2405 U5.2.5@3437.01,2405 3545,2405 R23.2.2@3595,2455 ; v1(3630.43,3464.57) 3669.57,3464.57 D12.7.A@3669.57,3400 ; v1(3810,2205) R20.3.2@3866.54,2205 ; R22.3.2@3860,2415 3920,2355 U5.3.21@4012.99,2355 4065,2355 4080,2370 4080,2555 ; v1(3910.43,3464.57) 3949.57,3464.57 D12.8.A@3949.57,3400 ; v1(4000,1180) 4000,1225 4120,1225 4107.5,1212.5 U6.1.13@4107.5,1091.02 ; U5.3.17@4012.99,2555 4080,2555 ; v1(4070,580) D10.1.A@4070,634.57 ; v1(4110.43,3464.57) 4149.57,3464.57 D12.9.A@4149.57,3400 ; C30.1.1@4120,1226.54 4120,1250 4130,1260 4170,1260 4180,1270 C32.1.2@4180,1293.46 C32.1.2@4180,1295 ; U6.1.5@4132.5,902.05 4132.5,827.5 v1(4135,825) ; v1(4290,2600) 4290,2560 4285,2555 4080,2555 ; v1(4310.43,3464.57) 4349.57,3464.57 D12.10.A@4349.57,3400 ; 4330,2600 4330,2405 ; D11.1.A@4345.43,730 v1(4395,730) ; v1(4510,3465) R33.11.1@4550,3465 ; R21.3.2@4545,2255 4495,2205 U5.3.1@4387.01,2205 4335,2205 4330,2210 4330,2405 ; R23.3.2@4545,2450 4500,2405 U5.3.5@4387.01,2405 4330,2405 ; D12.11.A@4548.03,3400 R33.11.1@4548.03,3464.57 ; v1(4750,2205) R20.4.2@4816.54,2205 ; v1(4790,3465) R33.12.1@4830,3465 ; R22.4.2@4816.54,2420 4816.54,2398.46 4860,2355 U5.4.21@4962.99,2355 5015,2355 5030,2370 5030,2555 ; D12.12.A@4828.03,3400 R33.12.1@4828.03,3464.57 ; U5.4.17@4962.99,2555 5030,2555 ; v1(4990,3465) R33.13.1@5030,3465 ; D12.13.A@5028.03,3400 R33.13.1@5028.03,3464.57 ; D7.2.A@5050,1210 5055,1205 v1(5055,1160) ; D7.2.A@5055,1215 C30.2.1@5170,1215 ; U6.2.13@5157.5,1091.02 5157.5,1202.5 C30.2.1@5170,1215 ; C30.2.1@5170,1213.07 C30.2.1@5170,1215 ; U6.2.5@5182.5,902.05 5182.5,802.5 v1(5185,800) ; v1(5190,3465) R33.14.1@5230,3465 ; D12.14.A@5228.03,3400 R33.14.1@5228.03,3464.57 ; C32.2.2@5230,1275 5230,1255 5220.79,1245.79 5180.79,1245.79 5170,1235 C30.2.1@5170,1215 ; v1(5240,2600) 5240,2560 5235,2555 5030,2555 ; 5280,2600 5280,2405 ; D11.2.A@5330.43,740 v1(5380,740) ; v1(5390,3465) R33.15.1@5430,3465 ; D12.15.A@5428.03,3400 R33.15.1@5428.03,3464.57 ; R21.4.2@5495,2255 5445,2205 U5.4.1@5337.01,2205 5285,2205 5280,2210 5280,2405 ; R23.4.2@5495,2455 5445,2405 U5.4.5@5337.01,2405 5280,2405
  Top Layer w15: v1@363.46,1903.46 v1(365,1905) ; C6.1@725,1062.09 C7.1@835,1062.09 ; v1(2360,2565) 2452.01,2565 U5.1.9@2457.01,2570 ; v1(3340,2600) 3432.01,2600 U5.2.9@3437.01,2605 ; v1(4000,1180) v1@4001.1,1181.1 ; v1(4290,2600) 4330,2600 4382.01,2600 U5.3.9@4387.01,2605 ; C31.2.1@5108.03,1211.1 C31.2.1@5110,1213.07 ; v1(5240,2600) 5280,2600 5332.01,2600 U5.4.9@5337.01,2605
  Top Layer w20: v1(121.54,1836.54) D2.K@170,1836.54 ; v1(145,985) R3.2@196.54,985 ; C9.1@300,1903.46 v1@363.46,1903.46
  Bottom Layer w10: v1(2625,1130) 2645,1150 C26.1@2671.54,1150 ; C21.1@2645,1281.54 2645,1250 v1(2655,1240) ; v1(2755,1585) 2765,1575 R15.2@2765,1545 ; C27.1@2766.54,1480 R15.2@2766.54,1543.46 ; v1(2770,1415) 2773.46,1411.54 C22.1@2773.46,1370 ; v1(2830,1415) 2831.54,1413.46 C20.1@2831.54,1370 ; v1(2845,1200) 2878.46,1166.54 C23.1@2878.46,1150 ; C24.1@2905,1245 2905,1220 2920,1205 v1(2920,1190) ; C33.1@3300,1296.54 v1@3358.46,1296.54 ; D10.2.A@5319.57,895 5319.57,800.43 v1(5380,740)
  Bottom Layer w15: C28.1.2@2303.46,2565 v1(2360,2565) ; C29.1.1@2962.68,330 2962.68,221.5 2977.24,206.93 S1.1.2@3016.38,206.93 ; C28.2.2@3283.46,2600 v1(3340,2600) ; C29.2.1@3462.68,330 3462.68,221.5 3477.24,206.93 S1.2.2@3516.38,206.93 ; C29.3.1@3962.68,330 3962.68,221.5 3977.24,206.93 S1.3.2@4016.38,206.93 ; C28.3.2@4233.46,2600 v1(4290,2600) ; C28.4.2@5183.46,2600 v1(5240,2600) ; C29.4.1@5754.96,1407.68 5863.46,1407.68 5878.03,1422.24 S1.4.2@5878.03,1461.38
  other v1: 438.35,1016.69 481.65,1016.69 438.35,1060 481.65,1060 438.35,1103.31 481.65,1103.31 780,1125 1930,2110
GP_SW1: C29.1.2 R24.1.1 S1.1.1 U4.1 | length 1582
  Top Layer w8: v1(2920,425) 2920,790 2965,835 3155,835 3185,865 v1(3185,895) ; U4.1@2995.47,1112.36 3267.64,1112.36 3283,1097 v1(3283,1047)
  Bottom Layer w8: C29.1.2@2895.75,330 2895.75,375.75 2920,400 v1(2920,425) ; v1(3185,895) 3285,995 3285,1045 v1(3283,1047) v1@3280,1050
  Bottom Layer w10: S1.1.1@2839.21,206.93 2892.68,206.93 ; R24.1.1@2895.75,140 2895.75,225.75 C29.1.2@2895.75,330